# KiCad board bells-venn-rounded.kicad_pcb (continued)
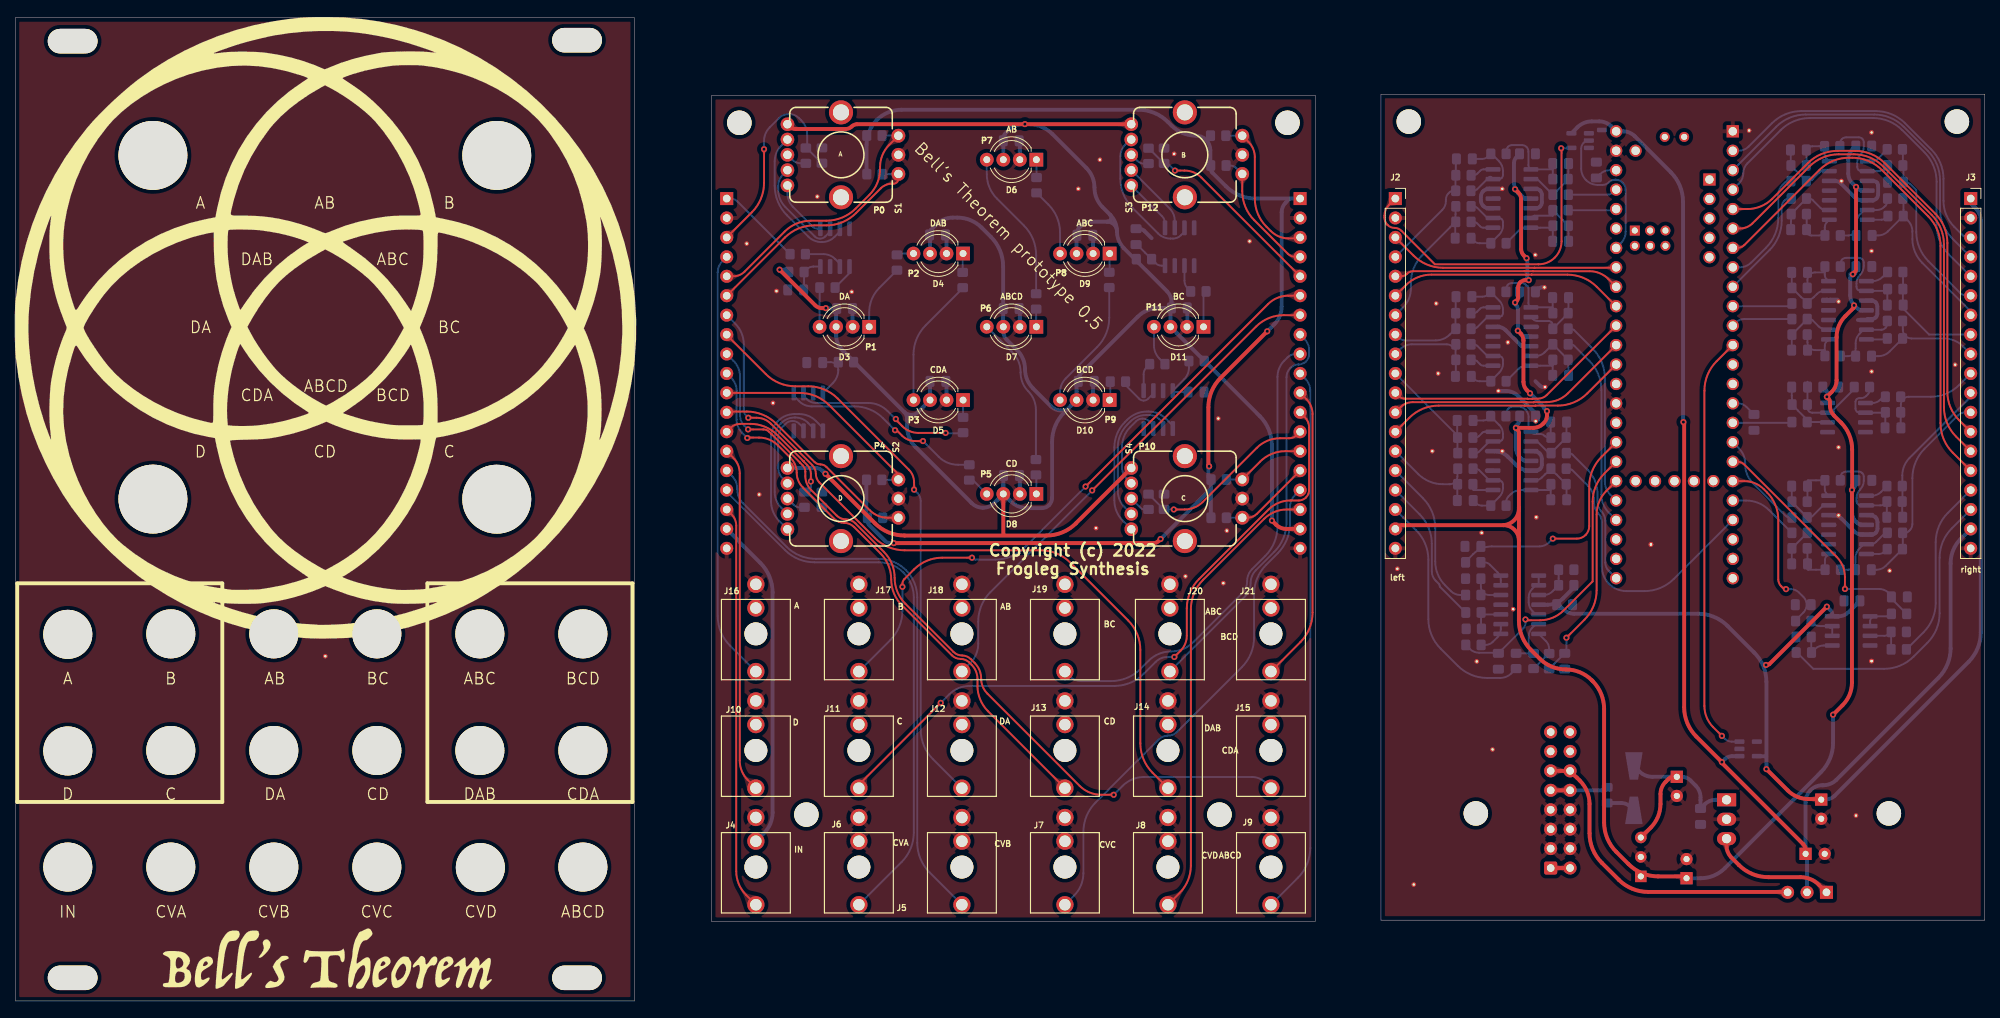
[diagram p0: board, top side]
## Copper pours and planes (outline as drawn; the poured copper is in the pictures) (continued)
/main/A on Bottom: 92.03,95.9 92.1,96.06 92.19,96.18 92.29,96.26 92.4,96.31 92.52,96.34 92.64,96.36 92.78,96.37 92.93,96.38 93.08,96.41 93.25,96.46 93.26,97.56 92.16,97.53 92.1,97.35 92.06,97.19 92.03,97.05 92.01,96.92 91.99,96.79 91.98,96.66 91.95,96.52 91.92,96.37 91.87,96.19 91.79,95.98
/main/A on Bottom: 181.45,98.54 181.3,98.41 181.16,98.31 181.03,98.25 180.91,98.21 180.79,98.18 180.66,98.17 180.53,98.16 180.39,98.14 180.23,98.11 180.06,98.06 180.04,96.96 181.14,96.98 181.19,97.15 181.22,97.31 181.24,97.45 181.25,97.58 181.27,97.71 181.29,97.83 181.33,97.95 181.39,98.08 181.49,98.21 181.62,98.36
/main/A on Bottom: 95.1,44.56 95.28,44.36 95.4,44.18 95.48,44.01 95.53,43.84 95.56,43.67 95.57,43.5 95.58,43.33 95.6,43.14 95.64,42.93 95.71,42.69 97.17,42.66 97.14,44.12 96.91,44.19 96.7,44.23 96.51,44.25 96.33,44.26 96.16,44.28 96,44.3 95.83,44.35 95.66,44.43 95.47,44.56 95.27,44.74
/main/AB on Top: 166.2,89.51 166.4,89.5 166.57,89.47 166.7,89.43 166.82,89.37 166.92,89.3 167.02,89.22 167.12,89.13 167.23,89.05 167.36,88.96 167.52,88.87 168.32,89.64 167.52,90.4 167.36,90.32 167.23,90.23 167.12,90.14 167.02,90.05 166.92,89.98 166.82,89.91 166.7,89.85 166.57,89.8 166.4,89.77 166.2,89.76
/main/AB on Bottom: 125.31,45.09 125.16,44.83 125,44.64 124.84,44.51 124.66,44.42 124.48,44.36 124.28,44.32 124.07,44.29 123.84,44.25 123.6,44.2 123.33,44.12 123.3,42.66 124.76,42.69 124.85,42.97 124.92,43.21 124.98,43.43 125.03,43.62 125.07,43.81 125.13,44 125.19,44.2 125.28,44.42 125.39,44.68 125.54,44.97
/main/AB on Bottom: 254.54,90.95 254.65,90.83 254.73,90.71 254.77,90.6 254.79,90.49 254.79,90.38 254.78,90.26 254.75,90.14 254.73,90.02 254.7,89.87 254.68,89.72 255.67,89.24 256.11,90.25 255.96,90.38 255.82,90.48 255.69,90.55 255.56,90.61 255.44,90.66 255.31,90.71 255.18,90.78 255.03,90.86 254.88,90.98 254.71,91.13
/main/ABC on Bottom: 253.83,86.97 254.03,86.96 254.2,86.93 254.33,86.89 254.45,86.83 254.55,86.76 254.65,86.68 254.75,86.59 254.86,86.51 254.99,86.42 255.15,86.33 255.95,87.1 255.15,87.86 254.99,87.78 254.86,87.69 254.75,87.6 254.65,87.51 254.55,87.44 254.45,87.37 254.33,87.31 254.2,87.26 254.03,87.23 253.83,87.22
/main/ABC on Bottom: 152.38,44.74 152.18,44.56 151.99,44.43 151.82,44.35 151.65,44.3 151.49,44.28 151.32,44.26 151.14,44.25 150.95,44.23 150.74,44.19 150.51,44.12 150.48,42.66 151.94,42.69 152.01,42.93 152.05,43.14 152.07,43.33 152.08,43.5 152.09,43.67 152.12,43.84 152.17,44.01 152.25,44.18 152.37,44.36 152.55,44.56
/main/ABC on Bottom: 169.06,85.82 168.99,86.03 168.94,86.21 168.91,86.36 168.88,86.5 168.86,86.63 168.85,86.76 168.83,86.89 168.8,87.03 168.76,87.19 168.7,87.37 167.59,87.4 167.61,86.3 167.77,86.25 167.93,86.22 168.08,86.21 168.21,86.2 168.34,86.18 168.46,86.15 168.57,86.1 168.67,86.02 168.75,85.9 168.83,85.74
/main/ABCD on Bottom: 169.14,80.71 169.06,80.92 168.99,81.1 168.95,81.25 168.91,81.4 168.89,81.53 168.86,81.66 168.84,81.79 168.8,81.94 168.76,82.1 168.7,82.3 167.59,82.32 167.62,81.21 167.79,81.16 167.95,81.13 168.11,81.12 168.25,81.1 168.38,81.08 168.51,81.05 168.62,80.99 168.73,80.9 168.83,80.78 168.91,80.61
/main/ABCD on Bottom: 165.58,14.26 165.38,14.08 165.2,13.95 165.03,13.87 164.86,13.82 164.7,13.8 164.53,13.78 164.35,13.77 164.16,13.75 163.95,13.71 163.71,13.64 163.69,12.18 165.15,12.21 165.21,12.45 165.25,12.66 165.27,12.85 165.29,13.02 165.3,13.19 165.33,13.36 165.37,13.53 165.46,13.7 165.58,13.88 165.76,14.08
/main/ABCD on Bottom: 254.42,80.73 254.57,80.87 254.7,80.96 254.83,81.03 254.95,81.07 255.08,81.09 255.2,81.1 255.33,81.11 255.47,81.13 255.63,81.16 255.8,81.21 255.82,82.32 254.72,82.3 254.67,82.12 254.64,81.97 254.62,81.82 254.61,81.69 254.6,81.57 254.57,81.45 254.53,81.32 254.47,81.19 254.37,81.06 254.24,80.91
/main/B on Top: 165.53,91.96 165.81,92.01 166.05,92.03 166.25,92.02 166.43,91.98 166.6,91.92 166.76,91.84 166.92,91.75 167.1,91.64 167.3,91.53 167.52,91.41 168.32,92.18 167.52,92.94 167.28,92.83 167.08,92.73 166.9,92.64 166.73,92.57 166.57,92.51 166.41,92.45 166.22,92.39 166.01,92.33 165.77,92.27 165.47,92.2
/main/B on Bottom: 253.89,92.62 254.92,91.58 255.94,92.12 255.27,92.99 255.12,92.93 254.99,92.86 254.75,92.73 254.63,92.67 254.52,92.63 254.42,92.62 254.3,92.64 254.19,92.69 254.06,92.8
/main/B on Bottom: 111.74,44.74 111.54,44.56 111.35,44.43 111.18,44.35 111.01,44.3 110.85,44.28 110.68,44.26 110.5,44.25 110.31,44.23 110.1,44.19 109.87,44.12 109.84,42.66 111.3,42.69 111.37,42.93 111.41,43.14 111.43,43.33 111.44,43.5 111.45,43.67 111.48,43.84 111.53,44.01 111.61,44.18 111.73,44.36 111.91,44.56
/main/BC on Bottom: 253.78,85.99 254,85.84 254.17,85.69 254.3,85.55 254.39,85.4 254.46,85.25 254.51,85.09 254.55,84.91 254.59,84.72 254.65,84.51 254.72,84.28 255.82,84.26 255.8,85.36 255.56,85.44 255.36,85.51 255.18,85.57 255.02,85.63 254.86,85.69 254.71,85.76 254.54,85.84 254.36,85.94 254.15,86.06 253.9,86.2
/main/BC on Bottom: 166.37,84.06 166.5,84.16 166.63,84.22 166.74,84.23 166.85,84.2 166.96,84.15 167.07,84.08 167.19,84 167.31,83.91 167.44,83.83 167.59,83.76 168.32,84.59 167.31,85.17 167.18,85.05 167.06,84.95 166.96,84.87 166.87,84.8 166.68,84.66 166.58,84.58 166.47,84.49 166.35,84.38 166.2,84.24
/main/BC on Bottom: 139.01,41.95 138.79,42.01 138.63,42.09 138.51,42.21 138.44,42.34 138.39,42.5 138.37,42.68 138.34,42.87 138.31,43.07 138.27,43.28 138.2,43.49 136.74,43.43 137,41.95 137.24,41.91 137.45,41.89 137.63,41.87 137.79,41.85 138.11,41.82 138.28,41.8 138.48,41.77 138.71,41.74 138.98,41.71
/main/BCD on Top: 165.58,44.74 165.38,44.56 165.2,44.43 165.03,44.35 164.86,44.3 164.7,44.28 164.53,44.26 164.35,44.25 164.16,44.23 163.95,44.19 163.71,44.12 163.69,42.66 165.15,42.69 165.21,42.93 165.25,43.14 165.27,43.33 165.29,43.5 165.3,43.67 165.33,43.84 165.37,44.01 165.46,44.18 165.58,44.36 165.76,44.56
/main/BCD on Top: 169.32,78.04 169.21,78.26 169.12,78.46 169.05,78.62 168.99,78.77 168.95,78.92 168.91,79.06 168.87,79.2 168.82,79.36 168.77,79.54 168.7,79.76 167.59,79.78 167.62,78.67 167.81,78.61 168,78.57 168.33,78.52 168.47,78.48 168.61,78.44 168.74,78.36 168.86,78.26 168.98,78.12 169.1,77.92
/main/BCD on Bottom: 254.71,77.98 254.88,78.14 255.03,78.25 255.18,78.33 255.31,78.4 255.44,78.45 255.56,78.5 255.69,78.56 255.82,78.63 255.96,78.73 256.11,78.86 255.67,79.88 254.68,79.39 254.7,79.24 254.73,79.1 254.75,78.97 254.78,78.85 254.79,78.74 254.79,78.63 254.77,78.52 254.73,78.4 254.65,78.29 254.54,78.16
/main/C on Top: 169.06,75.66 168.99,75.87 168.94,76.05 168.91,76.2 168.88,76.34 168.86,76.47 168.85,76.6 168.83,76.73 168.8,76.87 168.76,77.03 168.7,77.21 167.59,77.24 167.61,76.14 167.77,76.09 167.93,76.06 168.08,76.05 168.21,76.04 168.34,76.02 168.46,75.99 168.57,75.94 168.67,75.86 168.75,75.74 168.83,75.58
/main/C on Top: 111.49,29.7 111.27,29.5 111.07,29.36 110.89,29.26 110.71,29.19 110.54,29.14 110.37,29.1 110.19,29.04 110.01,28.98 109.8,28.88 109.58,28.74 109.97,27.33 111.36,27.76 111.36,27.99 111.35,28.19 111.32,28.37 111.3,28.54 111.29,28.7 111.3,28.86 111.33,29.01 111.39,29.17 111.5,29.34 111.66,29.52
/main/C on Bottom: 253.98,76.48 254.12,76.57 254.24,76.62 254.36,76.63 254.47,76.6 254.58,76.54 254.69,76.47 254.81,76.39 254.93,76.3 255.06,76.22 255.21,76.15 255.95,76.97 254.97,77.58 254.84,77.47 254.72,77.37 254.61,77.29 254.51,77.22 254.32,77.07 254.22,77 254.1,76.91 253.97,76.8 253.82,76.67
/main/CD on Top: 135.48,29.32 135.66,29.12 135.79,28.94 135.87,28.77 135.92,28.6 135.94,28.43 135.96,28.26 135.97,28.09 135.99,27.9 136.03,27.69 136.1,27.45 137.56,27.42 137.53,28.88 137.3,28.95 137.09,28.99 136.89,29.01 136.72,29.02 136.55,29.04 136.38,29.06 136.22,29.11 136.04,29.19 135.86,29.32 135.66,29.5
/main/CD on Bottom: 94.2,80.72 94.12,80.93 94.05,81.11 94.01,81.26 93.98,81.4 93.95,81.53 93.93,81.66 93.9,81.8 93.87,81.94 93.83,82.11 93.77,82.3 92.66,82.32 92.69,81.21 92.86,81.16 93.02,81.14 93.17,81.12 93.31,81.1 93.44,81.08 93.57,81.05 93.68,81 93.79,80.91 93.88,80.79 93.97,80.62
/main/CD on Bottom: 181.62,80.91 181.49,81.06 181.39,81.19 181.33,81.32 181.29,81.45 181.27,81.57 181.25,81.69 181.24,81.82 181.22,81.97 181.19,82.12 181.14,82.3 180.04,82.32 180.06,81.21 180.23,81.16 180.39,81.13 180.53,81.11 180.66,81.1 180.79,81.09 180.91,81.07 181.03,81.03 181.16,80.96 181.3,80.87 181.45,80.73
/main/CDA on Bottom: 181.63,85.78 181.42,85.7 181.24,85.64 181.09,85.59 180.95,85.56 180.82,85.54 180.69,85.52 180.56,85.49 180.41,85.46 180.25,85.42 180.06,85.36 180.04,84.26 181.14,84.28 181.19,84.45 181.22,84.61 181.24,84.76 181.25,84.9 181.27,85.03 181.3,85.15 181.35,85.26 181.44,85.37 181.56,85.46 181.72,85.55
/main/CDA on Bottom: 162.27,29.05 162.5,28.96 162.65,28.86 162.76,28.73 162.83,28.58 162.87,28.42 162.89,28.25 162.91,28.06 162.93,27.86 162.96,27.65 163.03,27.43 164.49,27.43 164.4,28.9 164.15,28.97 163.94,29.01 163.75,29.04 163.58,29.07 163.42,29.08 163.25,29.1 163.06,29.12 162.86,29.16 162.62,29.21 162.34,29.29
/main/CDA on Bottom: 94.88,75.47 94.96,75.35 95.13,75.09 95.18,75.01 95.22,74.94 95.26,74.87 95.3,74.78 95.34,74.68 95.38,74.57 95.9,74.56 95.89,75.08 95.78,75.12 95.68,75.15 95.59,75.18 95.51,75.21 95.44,75.24 95.37,75.28 95.3,75.34 95.23,75.41 95.16,75.49 95.09,75.6
/main/CDA on Bottom: 94.45,83.07 94.33,83.3 94.23,83.49 94.16,83.67 94.09,83.82 94.04,83.97 94,84.11 93.9,84.43 93.84,84.62 93.77,84.84 92.66,84.86 92.69,83.75 92.89,83.69 93.09,83.65 93.26,83.61 93.42,83.58 93.58,83.54 93.72,83.49 93.85,83.41 93.98,83.3 94.11,83.15 94.23,82.95
/main/CVA on Bottom: 111.74,14.26 111.54,14.08 111.35,13.95 111.18,13.87 111.01,13.82 110.85,13.8 110.68,13.78 110.5,13.77 110.31,13.75 110.1,13.71 109.87,13.64 109.84,12.18 111.3,12.21 111.37,12.45 111.41,12.66 111.43,12.85 111.44,13.02 111.45,13.19 111.48,13.36 111.53,13.53 111.61,13.7 111.73,13.88 111.91,14.08
/main/CVA on Bottom: 181.62,65.67 181.49,65.82 181.39,65.95 181.33,66.08 181.29,66.21 181.27,66.33 181.25,66.45 181.24,66.58 181.22,66.73 181.19,66.88 181.14,67.06 180.04,67.08 180.06,65.97 180.23,65.92 180.39,65.89 180.53,65.87 180.66,65.86 180.79,65.85 180.91,65.83 181.03,65.79 181.16,65.72 181.3,65.63 181.45,65.49
/main/CVA on Bottom: 94.13,65.55 94.01,65.69 93.92,65.82 93.86,65.95 93.83,66.06 93.82,66.18 93.82,66.31 93.82,66.43 93.83,66.57 93.82,66.73 93.81,66.9 92.73,67.13 92.54,66.04 92.71,65.95 92.86,65.89 93,65.85 93.14,65.82 93.26,65.79 93.39,65.75 93.52,65.7 93.65,65.63 93.8,65.52 93.96,65.38
/main/CVB on Bottom: 94.24,67.99 94.15,68.2 94.09,68.38 94.04,68.54 94,68.68 93.97,68.82 93.94,68.95 93.91,69.08 93.88,69.23 93.83,69.4 93.77,69.6 92.66,69.62 92.69,68.51 92.86,68.46 93.03,68.43 93.19,68.41 93.33,68.39 93.47,68.37 93.59,68.33 93.71,68.28 93.82,68.19 93.92,68.06 94.02,67.88
/main/CVB on Bottom: 122.02,14.08 122.2,13.88 122.33,13.7 122.41,13.53 122.46,13.36 122.48,13.19 122.5,13.02 122.51,12.85 122.53,12.66 122.57,12.45 122.64,12.21 124.1,12.18 124.07,13.64 123.83,13.71 123.62,13.75 123.43,13.77 123.25,13.78 123.08,13.8 122.92,13.82 122.75,13.87 122.58,13.95 122.4,14.08 122.2,14.26
/main/CVB on Bottom: 181.62,68.21 181.49,68.36 181.39,68.49 181.33,68.62 181.29,68.75 181.27,68.87 181.25,68.99 181.24,69.12 181.22,69.27 181.19,69.42 181.14,69.6 180.04,69.62 180.06,68.51 180.23,68.46 180.39,68.43 180.53,68.41 180.66,68.4 180.79,68.39 180.91,68.37 181.03,68.33 181.16,68.26 181.3,68.17 181.45,68.03
/main/CVC on Bottom: 254.42,65.49 254.57,65.63 254.7,65.72 254.83,65.79 254.95,65.83 255.08,65.85 255.2,65.86 255.33,65.87 255.47,65.89 255.63,65.92 255.8,65.97 255.82,67.08 254.72,67.06 254.67,66.88 254.64,66.73 254.62,66.58 254.61,66.45 254.6,66.33 254.57,66.21 254.53,66.08 254.47,65.95 254.37,65.82 254.24,65.67
/main/CVC on Bottom: 166.87,65.36 166.96,65.54 167.06,65.66 167.16,65.75 167.28,65.8 167.4,65.84 167.54,65.86 167.68,65.87 167.83,65.89 168,65.92 168.17,65.97 168.19,67.08 167.09,67.06 167.03,66.86 166.98,66.7 166.95,66.55 166.92,66.42 166.9,66.29 166.87,66.15 166.84,66.01 166.79,65.85 166.73,65.67 166.64,65.46
/main/CVC on Bottom: 138.94,14.74 138.76,14.47 138.58,14.26 138.4,14.11 138.22,14 138.02,13.93 137.81,13.88 137.34,13.79 137.08,13.73 136.79,13.64 136.76,12.18 138.22,12.21 138.32,12.51 138.4,12.77 138.53,13.2 138.59,13.4 138.66,13.6 138.74,13.81 138.85,14.04 138.98,14.31 139.15,14.62
/main/CVD on Top: 166.2,64.11 166.4,64.1 166.57,64.07 166.7,64.03 166.82,63.97 166.92,63.9 167.02,63.82 167.12,63.73 167.23,63.65 167.36,63.56 167.52,63.47 168.32,64.24 167.52,65 167.36,64.92 167.23,64.83 167.12,64.74 167.02,64.65 166.92,64.58 166.82,64.51 166.7,64.45 166.57,64.4 166.4,64.37 166.2,64.36
/main/CVD on Top: 152.72,15.02 152.5,14.71 152.28,14.46 152.07,14.28 151.86,14.14 151.65,14.04 151.41,13.96 151.16,13.9 150.89,13.83 150.59,13.75 150.25,13.64 150.22,12.18 151.68,12.21 151.9,12.85 151.99,13.1 152.08,13.33 152.17,13.55 152.27,13.76 152.39,13.99 152.54,14.25 152.71,14.54 152.93,14.89
/main/CVD on Bottom: 254.42,62.95 254.57,63.09 254.7,63.18 254.83,63.25 254.95,63.29 255.08,63.31 255.2,63.32 255.33,63.33 255.47,63.35 255.63,63.38 255.8,63.43 255.82,64.54 254.72,64.52 254.67,64.34 254.64,64.19 254.62,64.04 254.61,63.91 254.6,63.79 254.57,63.67 254.53,63.54 254.47,63.41 254.37,63.28 254.24,63.13
/main/D on Top: 94.95,29.72 95.09,29.43 95.2,29.17 95.29,28.95 95.35,28.75 95.4,28.56 95.45,28.38 95.5,28.18 95.55,27.97 95.62,27.73 95.71,27.45 97.17,27.42 97.14,28.88 96.88,28.96 96.63,29.01 96.41,29.05 96.2,29.08 96,29.11 95.82,29.17 95.64,29.26 95.48,29.39 95.32,29.58 95.17,29.84
/main/D on Top: 94.43,70.39 94.31,70.61 94.22,70.81 94.14,70.98 94.08,71.13 94.03,71.28 93.99,71.42 93.9,71.73 93.84,71.92 93.77,72.14 92.66,72.16 92.69,71.05 92.89,70.99 93.08,70.95 93.41,70.89 93.56,70.85 93.7,70.8 93.84,70.72 93.96,70.62 94.09,70.47 94.21,70.27
/main/D on Bottom: 181.62,70.75 181.49,70.9 181.39,71.03 181.33,71.16 181.29,71.29 181.27,71.41 181.25,71.53 181.24,71.66 181.22,71.81 181.19,71.96 181.14,72.14 180.04,72.16 180.06,71.05 180.23,71 180.39,70.97 180.53,70.95 180.66,70.94 180.79,70.93 180.91,70.91 181.03,70.87 181.16,70.8 181.3,70.71 181.45,70.57
/main/DA on Top: 94.23,85.95 94.1,86.1 94.01,86.24 93.94,86.36 93.9,86.49 93.88,86.61 93.87,86.73 93.86,86.87 93.85,87.01 93.82,87.17 93.78,87.34 92.68,87.41 92.65,86.31 92.83,86.25 92.98,86.21 93.13,86.18 93.26,86.17 93.39,86.15 93.51,86.12 93.64,86.08 93.77,86.01 93.9,85.91 94.06,85.78
/main/DA on Bottom: 122.02,29.32 122.2,29.12 122.33,28.94 122.41,28.77 122.46,28.6 122.48,28.43 122.5,28.26 122.51,28.09 122.53,27.9 122.57,27.69 122.64,27.45 124.1,27.42 124.07,28.88 123.83,28.95 123.62,28.99 123.43,29.01 123.25,29.02 123.08,29.04 122.92,29.06 122.75,29.11 122.58,29.19 122.4,29.32 122.2,29.5
/main/DA on Bottom: 181.8,86.46 181.64,86.47 181.51,86.52 181.42,86.59 181.36,86.68 181.31,86.78 181.27,86.91 181.24,87.04 181.21,87.18 181.16,87.33 181.1,87.47 180,87.36 180.34,86.25 180.52,86.25 180.67,86.24 180.8,86.24 181.16,86.22 181.28,86.22 181.43,86.21 181.6,86.21 181.8,86.21
/main/DAB on Top: 148.95,29.32 149.12,29.12 149.25,28.94 149.33,28.77 149.38,28.6 149.41,28.43 149.42,28.26 149.43,28.09 149.45,27.9 149.49,27.69 149.56,27.45 151.02,27.42 150.99,28.88 150.76,28.95 150.55,28.99 150.36,29.01 150.18,29.02 150.01,29.04 149.84,29.06 149.68,29.11 149.51,29.19 149.32,29.32 149.12,29.5
/main/DAB on Bottom: 94.72,87.92 94.56,88.18 94.42,88.4 94.31,88.59 94.22,88.76 94.14,88.92 94.07,89.09 94,89.26 93.93,89.44 93.86,89.66 93.77,89.92 92.66,89.94 92.69,88.83 92.93,88.75 93.16,88.69 93.36,88.64 93.54,88.59 93.71,88.53 93.87,88.45 94.03,88.35 94.19,88.21 94.34,88.03 94.51,87.79
/main/DAB on Bottom: 181.77,91.39 181.62,91.16 181.48,90.99 181.33,90.87 181.19,90.77 181.03,90.7 180.87,90.65 180.69,90.61 180.5,90.57 180.29,90.51 180.06,90.44 180.04,89.34 181.14,89.36 181.23,89.6 181.29,89.8 181.36,89.98 181.42,90.14 181.48,90.3 181.54,90.45 181.62,90.62 181.72,90.8 181.84,91.01 181.98,91.26
/main/ENCA_A on Top: 94.07,93.46 93.92,93.33 93.79,93.23 93.66,93.17 93.54,93.13 93.41,93.1 93.29,93.09 93.16,93.08 93.01,93.06 92.86,93.03 92.69,92.98 92.66,91.88 93.77,91.9 93.82,92.07 93.85,92.23 93.87,92.37 93.88,92.5 93.89,92.63 93.92,92.75 93.96,92.87 94.02,93 94.11,93.13 94.25,93.28
/main/ENCA_A on Top: 181.45,93.46 181.3,93.33 181.16,93.23 181.03,93.17 180.91,93.13 180.79,93.1 180.66,93.09 180.53,93.08 180.39,93.06 180.23,93.03 180.06,92.98 180.04,91.88 181.14,91.9 181.19,92.07 181.22,92.23 181.24,92.37 181.25,92.5 181.27,92.63 181.29,92.75 181.33,92.87 181.39,93 181.49,93.13 181.62,93.28
/main/ENCA_A on Top: 207.98,91.84 208.11,91.7 208.2,91.57 208.26,91.45 208.3,91.34 208.32,91.22 208.33,91.11 208.34,90.98 208.36,90.85 208.39,90.7 208.44,90.54 209.48,90.52 209.46,91.56 209.29,91.61 209.15,91.64 209.02,91.66 208.89,91.67 208.78,91.68 208.66,91.7 208.55,91.74 208.43,91.8 208.3,91.89 208.16,92.02
/main/ENCA_A on Top: 113.73,106.51 114.01,106.63 114.24,106.73 114.45,106.8 114.63,106.86 114.8,106.91 114.97,106.96 115.14,107.02 115.33,107.08 115.54,107.17 115.78,107.28 115.5,108.53 114.52,107.9 114.55,107.72 114.55,107.56 114.51,107.43 114.46,107.31 114.37,107.2 114.27,107.1 114.14,107.01 113.99,106.92 113.82,106.83 113.63,106.74
/main/ENCA_A on Bottom: 113.59,107.94 113.81,107.93 113.98,107.9 114.13,107.85 114.26,107.79 114.37,107.71 114.48,107.63 114.59,107.54 114.71,107.45 114.86,107.36 115.03,107.27 115.85,108.11 114.98,108.89 114.82,108.79 114.68,108.69 114.56,108.6 114.45,108.51 114.35,108.42 114.24,108.34 114.12,108.28 113.98,108.23 113.8,108.2 113.59,108.19
/main/ENCA_B on Top: 207.49,94.75 207.7,94.6 207.87,94.46 208,94.32 208.09,94.18 208.16,94.03 208.22,93.87 208.26,93.7 208.31,93.51 208.37,93.31 208.44,93.08 209.48,93.06 209.46,94.1 209.22,94.18 209.02,94.25 208.85,94.32 208.69,94.38 208.54,94.44 208.39,94.51 208.24,94.6 208.06,94.7 207.86,94.82 207.62,94.96
/main/ENCA_B on Top: 182.63,95.51 182.36,95.49 182.13,95.46 181.93,95.43 181.75,95.39 181.58,95.36 181.42,95.35 181.26,95.35 181.08,95.37 180.89,95.42 180.67,95.5 179.92,94.69 180.75,93.97 180.99,94.13 181.18,94.29 181.33,94.46 181.6,94.78 181.74,94.93 181.9,95.05 182.09,95.15 182.33,95.22 182.64,95.26
/main/ENCA_B on Top: 113.75,111.13 113.92,111.38 114.09,111.58 114.25,111.72 114.42,111.83 114.59,111.92 114.78,111.98 114.97,112.04 115.19,112.09 115.43,112.16 115.69,112.24 115.72,113.41 114.55,113.39 114.45,113.12 114.37,112.88 114.3,112.68 114.23,112.5 114.15,112.33 114.07,112.16 113.97,111.97 113.85,111.77 113.71,111.53 113.53,111.26
/main/ENCA_B on Top: 94.6,95 94.43,94.94 94.29,94.92 94.16,94.94 94.04,94.98 93.94,95.04 93.84,95.12 93.73,95.21 93.61,95.31 93.48,95.4 93.33,95.48 92.54,94.72 93.33,93.95 93.51,94.04 93.65,94.12 93.77,94.2 93.88,94.28 93.98,94.36 94.09,94.44 94.2,94.51 94.34,94.6 94.5,94.68 94.7,94.77
/main/ENCA_B on Bottom: 113.59,112.98 113.81,112.97 113.98,112.94 114.12,112.89 114.25,112.83 114.36,112.75 114.46,112.67 114.57,112.57 114.69,112.48 114.83,112.38 114.99,112.29 115.85,113.08 115.02,113.91 114.85,113.82 114.7,113.72 114.58,113.63 114.47,113.54 114.37,113.46 114.26,113.38 114.13,113.32 113.99,113.27 113.81,113.24 113.59,113.23
/main/ENCA_SW on Top: 94.07,101.08 93.92,100.95 93.79,100.85 93.66,100.79 93.54,100.75 93.41,100.72 93.29,100.71 93.16,100.7 93.01,100.68 92.86,100.65 92.69,100.6 92.66,99.5 93.77,99.52 93.82,99.69 93.85,99.85 93.87,99.99 93.88,100.12 93.89,100.25 93.92,100.37 93.96,100.49 94.02,100.62 94.11,100.75 94.25,100.9
/main/ENCA_SW on Top: 207.59,95.7 207.78,95.69 207.94,95.67 208.07,95.63 208.19,95.57 208.29,95.51 208.39,95.44 208.49,95.37 208.61,95.29 208.74,95.21 208.9,95.14 209.59,95.91 208.8,96.58 208.65,96.49 208.54,96.4 208.43,96.31 208.34,96.23 208.25,96.15 208.16,96.09 208.05,96.03 207.92,95.99 207.77,95.96 207.59,95.95
/main/ENCA_SW on Top: 181.62,98.69 181.49,98.84 181.39,98.97 181.33,99.1 181.29,99.23 181.27,99.35 181.25,99.47 181.24,99.6 181.22,99.75 181.19,99.9 181.14,100.08 180.04,100.1 180.06,98.99 180.23,98.94 180.39,98.91 180.53,98.89 180.66,98.88 180.79,98.87 180.91,98.85 181.03,98.81 181.16,98.74 181.3,98.65 181.45,98.51
/main/ENCB_A on Top: 160.46,106.3 160.47,106.51 160.5,106.69 160.55,106.83 160.61,106.95 160.69,107.06 160.77,107.16 160.86,107.27 160.96,107.39 161.05,107.53 161.14,107.7 160.33,108.54 159.52,107.7 159.61,107.53 159.71,107.39 159.8,107.27 159.89,107.16 159.98,107.06 160.05,106.95 160.12,106.83 160.16,106.69 160.2,106.51 160.21,106.3
/main/ENCB_A on Top: 166.2,97.57 166.35,97.44 166.47,97.32 166.58,97.23 166.68,97.16 166.87,97.02 166.96,96.94 167.06,96.86 167.18,96.76 167.31,96.64 168.32,97.22 167.59,98.05 167.44,97.98 167.31,97.9 167.19,97.82 167.07,97.74 166.96,97.66 166.85,97.61 166.74,97.59 166.63,97.6 166.5,97.65 166.37,97.75
/main/ENCB_A on Bottom: 225.47,109.8 225.33,109.67 225.2,109.58 225.08,109.52 224.97,109.48 224.85,109.46 224.74,109.45 224.61,109.44 224.48,109.42 224.33,109.39 224.17,109.34 224.15,108.3 225.19,108.32 225.24,108.48 225.27,108.63 225.28,108.76 225.3,108.89 225.31,109 225.33,109.12 225.37,109.23 225.43,109.35 225.52,109.48 225.65,109.62
/main/ENCB_A on Bottom: 254.24,98.36 254.37,98.21 254.47,98.08 254.53,97.95 254.57,97.83 254.6,97.71 254.61,97.58 254.62,97.45 254.64,97.31 254.67,97.15 254.72,96.98 255.82,96.96 255.8,98.06 255.63,98.11 255.47,98.14 255.33,98.16 255.2,98.17 255.08,98.18 254.95,98.21 254.83,98.25 254.7,98.31 254.57,98.41 254.42,98.54
/main/ENCB_A on Bottom: 158.77,109.07 158.96,109.05 159.1,108.99 159.2,108.9 159.27,108.79 159.32,108.65 159.35,108.5 159.4,108.16 159.43,107.98 159.48,107.8 160.65,107.77 160.35,108.99 160.16,109 159.99,109.03 159.85,109.07 159.72,109.11 159.6,109.15 159.47,109.2 159.34,109.24 159.18,109.28 158.99,109.31 158.77,109.32
/main/ENCB_B on Top: 161.79,111.6 161.68,111.83 161.59,112.03 161.52,112.21 161.47,112.37 161.43,112.51 161.39,112.66 161.35,112.81 161.31,112.98 161.25,113.17 161.18,113.39 160.01,113.41 160.04,112.24 160.24,112.18 160.43,112.14 160.61,112.11 160.77,112.09 160.93,112.06 161.07,112.01 161.2,111.94 161.33,111.83 161.45,111.69 161.57,111.49
/main/ENCB_B on Top: 165.52,99.66 165.82,99.58 166.07,99.51 166.28,99.44 166.46,99.38 166.63,99.32 166.97,99.21 167.16,99.14 167.38,99.07 167.64,98.99 168.31,99.86 167.41,100.5 167.22,100.36 167.04,100.23 166.89,100.11 166.74,100.01 166.59,99.93 166.43,99.87 166.26,99.83 166.07,99.82 165.84,99.84 165.59,99.9
/main/ENCB_B on Bottom: 158.54,112.97 158.75,112.96 158.92,112.93 159.07,112.88 159.19,112.81 159.3,112.74 159.4,112.65 159.51,112.56 159.63,112.47 159.77,112.37 159.94,112.28 160.78,113.09 159.94,113.9 159.77,113.81 159.63,113.72 159.51,113.62 159.4,113.53 159.3,113.45 159.19,113.37 159.07,113.31 158.93,113.26 158.75,113.23 158.54,113.22
/main/ENCB_B on Bottom: 225.95,111.43 225.8,111.36 225.66,111.34 225.54,111.35 225.44,111.39 225.34,111.45 225.24,111.52 225.14,111.6 225.04,111.69 224.91,111.77 224.78,111.85 224.03,111.12 224.79,110.41 224.95,110.49 225.09,110.57 225.2,110.65 225.3,110.72 225.49,110.86 225.6,110.94 225.73,111.02 225.88,111.11 226.06,111.2
/main/ENCB_B on Bottom: 253.96,100.42 254.11,100.27 254.23,100.13 254.32,100.01 254.4,99.89 254.53,99.68 254.6,99.57 254.69,99.46 254.79,99.33 254.92,99.2 255.93,99.69 255.36,100.63 255.21,100.59 255.07,100.55 254.83,100.45 254.71,100.41 254.6,100.39 254.49,100.39 254.38,100.43 254.26,100.49 254.14,100.6
/main/ENCB_SW on Top: 166.61,95.82 166.74,95.67 166.84,95.54 166.9,95.41 166.94,95.29 166.97,95.17 166.98,95.04 166.99,94.91 167.01,94.77 167.04,94.61 167.09,94.44 168.19,94.42 168.17,95.52 168,95.57 167.84,95.6 167.7,95.62 167.57,95.63 167.45,95.64 167.32,95.67 167.2,95.71 167.07,95.77 166.94,95.87 166.79,96
/main/ENCB_SW on Bottom: 254.24,95.82 254.37,95.67 254.47,95.54 254.53,95.41 254.57,95.29 254.6,95.17 254.61,95.04 254.62,94.91 254.64,94.77 254.67,94.61 254.72,94.44 255.82,94.42 255.8,95.52 255.63,95.57 255.47,95.6 255.33,95.62 255.2,95.63 255.08,95.64 254.95,95.67 254.83,95.71 254.7,95.77 254.57,95.87 254.42,96
/main/ENCB_SW on Bottom: 225.58,107.59 225.49,107.39 225.39,107.24 225.28,107.13 225.16,107.05 225.02,107 224.88,106.96 224.72,106.93 224.55,106.9 224.37,106.86 224.17,106.8 224.15,105.76 225.19,105.78 225.26,105.99 225.81,107.5
/main/ENCC_A on Top: 161.99,63.61 161.84,63.51 161.7,63.47 161.57,63.46 161.45,63.5 161.34,63.56 161.22,63.64 161.1,63.73 160.97,63.82 160.83,63.91 160.67,63.99 159.88,63.13 160.88,62.45 162.14,63.41
/main/ENCC_A on Top: 225.86,98.9 225.74,98.8 225.63,98.75 225.52,98.74 225.42,98.77 225.31,98.81 225.21,98.88 225.1,98.96 224.98,99.03 224.86,99.11 224.72,99.17 224.04,98.39 224.99,97.85 225.11,97.96 225.22,98.06 225.31,98.13 225.4,98.2 225.58,98.33 225.68,98.4 225.78,98.49 225.9,98.59 226.04,98.72
/main/ENCC_A on Top: 166.79,68.03 166.94,68.17 167.07,68.26 167.2,68.33 167.32,68.37 167.45,68.39 167.57,68.4 167.7,68.41 167.84,68.43 168,68.46 168.17,68.51 168.19,69.62 167.09,69.6 167.04,69.42 167.01,69.27 166.99,69.12 166.98,68.99 166.97,68.87 166.94,68.75 166.9,68.62 166.84,68.49 166.74,68.36 166.61,68.21